# Altium PCB CL-HC-M-V2.2.PcbDoc (part 15 of 18)
Units mil, origin at the board's own origin, x right, y up, seen from the top; angles counter-clockwise.
Board outline 27559.06 x 27559.06 mil, 2 copper layers (TopLayer, BottomLayer); 684 components, 528 nets, 2380 pads, 1851 vias.
Unrouted connection lines stored in the file: 1268.
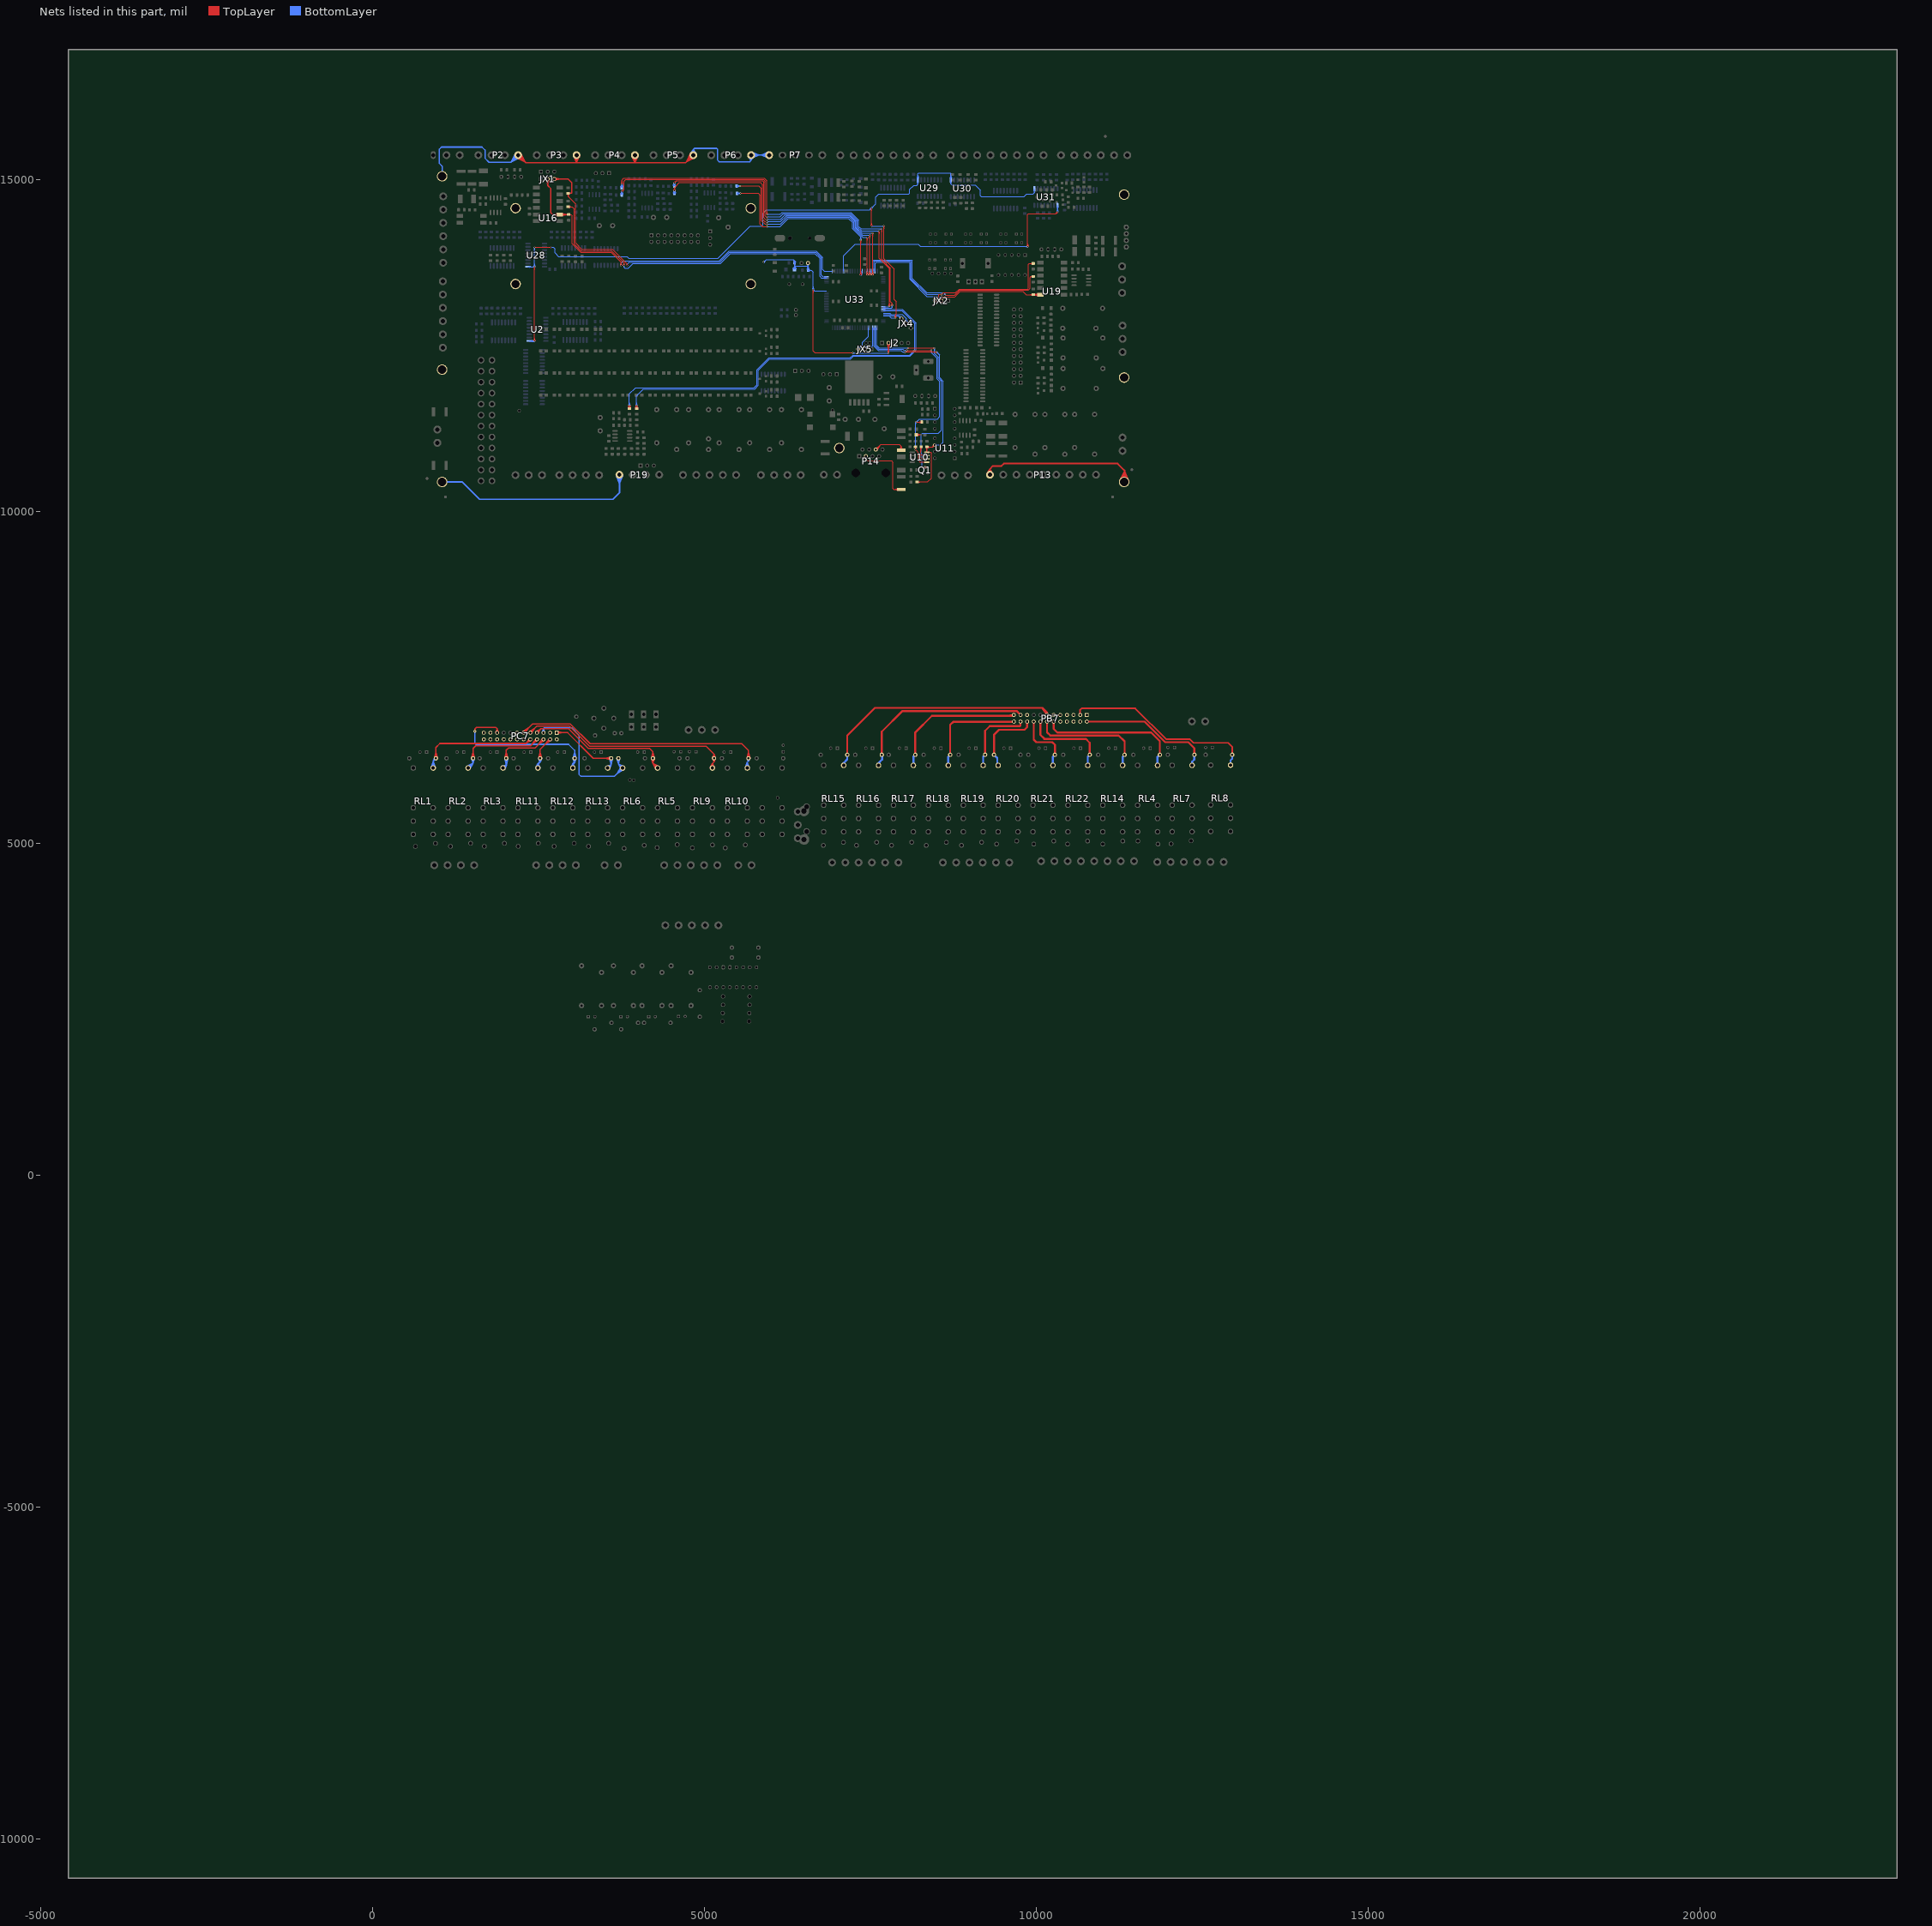
[diagram p15: the nets of this part, all layers, seen from the top]

## Via types
v1: diameter 25, hole 15, TopLayer to BottomLayer, tented both sides, 1813 vias
v2: diameter 20, hole 12, TopLayer to BottomLayer, tented both sides, 24 vias
v3: diameter 25, hole 15, TopLayer to BottomLayer, 13 vias
v4: diameter 40, hole 24, TopLayer to BottomLayer, tented both sides, 1 vias

## Nets (pads, with @x,y where several pads share a name; then routed paths per layer and width w, separated by ;. In a path a pad name is that pad's centre, name@x,y a point inside that pad or via, vN(x,y) a via of type N, cw(c..) or ccw(c..) an arc to the next point about the centre after c; other vN are vias at no path point) (continued)
PE: P2.1 P3.1 P4.1 P5.1 P6.1 P7.5 P13.1 P19.1 pad.0@1049.3,10444.81 pad.0@1049.3,12137.73 pad.0@1049.3,15051.11 pad.0@2155.43,13428.12 pad.0@2155.43,14569.85 pad.0@5698.74,13428.12 pad.0@5698.74,14569.85 pad.0@7033.56,10956.63 pad.0@11324.89,10444.81 pad.0@11324.89,12019.62 pad.0@11324.89,14775.52 | length 18300.5
  TopLayer w20: P2.1@2165.83,15330.56 2295.56,15269.19 ; P2.1@2175.72,15348.15 2295.56,15269.19 ; P2.1@2194.08,15370.67 2310.44,15254.3 3079.13,15254.3 ; P2.1@2216.6,15389.03 2295.56,15269.19 ; P2.1@2234.18,15398.92 2295.56,15269.19 ; P3.1@3026.15,15359.85 3074,15259.43 ; P3.1@3045.19,15366.87 3074,15259.43 ; P3.1@3102.81,15366.87 3074,15259.43 ; P3.1@3121.85,15359.85 3074,15259.43 ; P4.1@3906.07,15358.55 3953.92,15258 ; P4.1@3925.11,15365.57 3953.92,15258 ; P4.1@3982.73,15365.57 3953.92,15258 ; P4.1@4001.77,15358.55 3953.92,15258 ; P5.1@4793.74,15398.92 4732.36,15269.19 ; P5.1@4811.32,15389.03 4732.36,15269.19 ; P5.1@4833.84,15370.67 4717.48,15254.3 3957.61,15254.3 ; P5.1@4852.2,15348.15 4732.36,15269.19 ; P5.1@4862.09,15330.56 4732.36,15269.19 ; 3074,15259.43 P3.1@3074,15370.67 3074,15259.43 ; 3074,15259.43 3079.13,15254.3 ; 3079.13,15254.3 3957.61,15254.3 ; 3953.92,15258 P4.1@3953.92,15369.36 3953.92,15258 ; 3953.92,15258 3957.61,15254.3
  TopLayer w25: P13.1@9257.43,10566.39 9302.22,10638.82 ; P13.1@9280.83,10556.39 9302.22,10638.82 ; P13.1@9302.22,10553.66 9302.22,10638.82 ; P13.1@9323.6,10556.39 9302.22,10638.82 ; P13.1@9347,10566.39 9302.22,10638.82 ; pad.0@11260.9,10461.92 11331.73,10598.65 ; pad.0@11284.31,10452.14 11331.73,10598.65 ; pad.0@11308.73,10446.39 11331.73,10598.65 ; pad.0@11341.13,10444.95 11331.73,10598.65 ; pad.0@11365.97,10448.52 11331.73,10598.65 ; pad.0@11390.15,10456.18 11331.73,10598.65 ; 9302.22,10638.82 9349.06,10685.66 9475.86,10685.66 9512.18,10721.98 11228.78,10721.98 11331.73,10619.03 11331.73,10451.65 pad.0@11324.89,10444.81 11331.73,10598.65
  BottomLayer w20: pad.0@1049.3,15051.11 1049.3,15204.58 1008.14,15245.75 1008.14,15460.84 1038.98,15491.68 1650.18,15491.68 1694.11,15447.76 1694.11,15323.46 1755.79,15261.78 2085.19,15261.78 P2.1@2194.08,15370.67 ; P2.1@2153.97,15398.92 2092.6,15269.19 ; P2.1@2171.56,15389.03 2092.6,15269.19 ; P2.1@2212.44,15348.15 2092.6,15269.19 ; P2.1@2222.33,15330.56 2092.6,15269.19 ; P5.1@4786.74,15384.38 4833.84,15458.38 ; P5.1@4805.19,15375.48 4833.84,15458.38 ; P5.1@4833.84,15370.67 4833.84,15458.38 ; P5.1@4862.49,15375.48 4833.84,15458.38 ; P5.1@4880.94,15384.38 4833.84,15458.38 ; P6.1@5657.3,15354.1 5703.92,15290.46 ; P6.1@5675.36,15364.01 5703.92,15290.46 ; P6.1@5707.46,15340.52 5822.97,15369.36 ; P6.1@5707.46,15398.19 5822.97,15369.36 ; P6.1@5714.03,15321.35 5822.97,15369.36 ; P6.1@5714.03,15417.36 5822.97,15369.36 ; P6.1@5732.48,15364.01 5703.92,15290.46 ; P6.1@5750.54,15354.1 5703.92,15290.46 ; P7.5@5965.73,15418.56 5857.3,15369.36 ; P7.5@5966.79,15322.56 5857.3,15369.36 ; P7.5@5972.5,15399.46 5857.3,15369.36 ; P7.5@5973.13,15341.79 5857.3,15369.36 ; 4833.84,15458.38 4847.67,15472.22 5185.57,15472.22 5201.04,15456.75 5201.04,15292.21 5224.22,15269.04 5682.5,15269.04 5703.92,15290.46 ; 5703.92,15290.46 P6.1@5703.92,15369.36 5975.05,15369.36 P7.5@5976.36,15370.67 5857.3,15369.36
  BottomLayer w25: pad.0@1049.3,10444.81 1353.93,10444.81 1614.61,10184.14 3619.4,10184.14 3719.56,10284.3 P19.1@3719.56,10553.66 ; P19.1@3673.71,10545.58 3719.56,10419.61 ; P19.1@3698.07,10551.93 3719.56,10419.61 ; P19.1@3741.04,10551.93 3719.56,10419.61 ; P19.1@3765.4,10545.58 3719.56,10419.61
PLD_165: U2.1 U28.1 U29.1 U30.1 U31.1 U33.103 | length 15802.1
  TopLayer w10: v3@2433.66,12571.16 2441.13,12613 v3@2448.6,12571.16 ; v1@2433.66,13687.64 2441.13,13645.8 ; v3(2441.13,12570.5) v1(2441.13,13688.3) 2441.13,13645.8 ; v1@2441.79,13990.09 2483.69,13982.93 ; v1@2441.9,13975.15 2483.69,13982.93 ; v1@2448.6,13687.64 2441.13,13645.8 ; v1@2688.95,13975.46 2647.11,13982.93 v1@2688.95,13990.4 ; v1(2689.61,13982.93) 2440.88,13982.93 v1(2441.19,13982.62) 2483.69,13982.93 ; v3@7510.59,14301.93 7518.06,14343.77 v3@7525.53,14301.93 ; v3@7510.75,14571.24 7518.06,14529.37 ; v3(7518.06,14301.27) v3@7518.06,14572.04 ; v3(7518.22,14571.87) 7518.06,14529.37 ; v3@7525.69,14571.18 7518.06,14529.37 ; v3@7695.68,14300.61 7703.15,14258.77 ; v3@7710.62,14300.61 7703.15,14258.77 ; v3@7870.6,12918.25 7878.07,12960.09 v3@7885.54,12918.25 ; v3(7878.07,12917.59) 7878.07,12961.02 7890.82,12973.77 7890.82,13007.1 7890.39,13007.53 7890.39,13163.39 7859.14,13194.64 7859.14,13654.37 7703.15,13810.36 v3(7703.15,14301.27) 7703.15,14258.77
  BottomLayer w10: U28.1@2342.69,13688.36 2441.19,13688.36 v1(2441.19,13982.62) 2441.19,13940.12 ; U2.1@2362.38,12570.5 v3(2441.13,12570.5) ; U28.1@2367.69,13688.36 2412.69,13688.36 ; U28.1@2368.8,13678.42 2412.69,13688.36 ; U28.1@2368.8,13698.3 2412.69,13688.36 ; U2.1@2387.38,12570.5 v3@2432.38,12570.5 ; U2.1@2388.49,12560.56 v3@2432.38,12570.5 ; U2.1@2388.49,12580.44 v3@2432.38,12570.5 ; v1@2433.66,13688.97 2441.19,13730.8 ; v1@2433.72,13981.96 2441.19,13940.12 ; v3@2439.17,12563.26 U2.1@2398.8,12578.1 ; v3@2439.17,12577.74 U2.1@2398.8,12562.9 ; v1@2440.46,13680.83 2398.63,13688.36 ; v1@2440.48,13695.78 2398.63,13688.36 ; v3@2441.81,12563.03 U2.1@2398.8,12562.9 ; v3@2441.81,12577.97 U2.1@2398.8,12578.1 ; v1@2448.6,13688.96 2441.19,13730.8 ; v1@2448.66,13981.96 2441.19,13940.12 ; v1(2689.61,13982.93) 2721.83,13982.93 ; v1@2690.48,13975.48 2721.83,13982.93 ; v1@2690.48,13990.38 2721.83,13982.93 ; v3@7512.43,14576.63 7490.97,14544.62 ; v3@7513.35,14577.57 7551.94,14605.58 v3@7523.93,14567 ; v3(7518.06,14301.27) v3(7703.15,14301.27) 7660.65,14301.27 ; v3@7518.72,14293.8 7560.56,14301.27 v3@7518.72,14308.74 ; v3@7522.99,14566.08 7490.97,14544.62 ; U33.103@7695.61,12949.35 7780.95,12949.35 7812.72,12917.59 v3(7878.07,12917.59) 7835.57,12917.59 ; v3@7702.49,14293.8 7660.65,14301.27 ; v3@7702.49,14308.74 7660.65,14301.27 ; U33.103@7725.86,12949.35 7760.61,12949.35 ; v3@7877.41,12910.12 7835.57,12917.59 ; v3@7877.41,12925.06 7835.57,12917.59 ; U29.1@8207.44,14972.2 8217.38,14930.17 ; U29.1@8207.44,15024.47 8217.38,15068.36 ; U29.1@8217.38,14973.36 8217.38,14930.17 ; U29.1@8217.38,15023.36 8217.38,15068.36 ; U29.1@8227.31,14972.2 8217.38,14930.17 ; U29.1@8227.31,15024.47 8217.38,15068.36 ; U30.1@8704.44,15020.53 8714.38,15064.42 ; U30.1@8704.5,14967.87 8714.38,14937.14 ; U30.1@8714.38,14969.42 8714.38,14937.14 ; U30.1@8714.38,15019.42 8714.38,15064.42 ; U30.1@8724.26,14967.87 8714.38,14937.14 ; U30.1@8724.32,15020.53 8714.38,15064.42 ; U31.1@9961.72,14837.18 9971.61,14804.14 ; U31.1@9971.61,14838.63 9971.61,14804.14 ; U31.1@9971.61,14863.63 9971.61,14804.14 ; U31.1@9981.51,14837.18 9971.61,14804.14 ; U2.1@2398.63,12570.5 2440.47,12563.03 U2.1@2398.63,12570.5 ; U2.1@2398.63,12570.5 2440.47,12577.97 U2.1@2398.63,12570.5 ; U2.1@2398.63,12570.5 v3(2441.13,12570.5) ; U2.1@2398.63,12570.5 v3(2441.13,12570.5) ; 2398.63,13688.36 v1(2441.13,13688.3) 2441.19,13730.8 ; U2.1@2398.8,12562.9 v3(2441.13,12570.5) ; U2.1@2398.8,12578.1 v3(2441.13,12570.5) ; 2721.83,13982.93 2746.91,13957.84 2746.91,13896.53 2803.41,13840.04 3832.68,13840.04 3859.54,13813.18 5205.85,13813.18 5690.73,14298.06 5860.76,14298.06 5884.15,14321.44 5884.15,14491.48 5937.29,14544.62 7490.97,14544.62 ; 7490.97,14544.62 v3(7518.22,14571.87) ; 7490.97,14544.62 v3(7518.22,14571.87) ; v3(7518.22,14571.87) 7580.03,14633.67 7580.03,14737.31 7625.74,14783.03 8081.01,14783.03 8095.11,14797.12 8095.11,14853.76 8156.76,14915.42 8202.62,14915.42 8217.38,14930.17 ; 8217.38,14930.17 U29.1@8217.38,14998.36 8217.38,15085.36 8231.39,15099.37 8706.84,15099.37 8714.38,15091.83 8714.38,14937.14 ; 8714.38,14937.14 8732.88,14918.64 9081.37,14918.64 9157.1,14842.91 9157.1,14755.39 9169.62,14742.87 9814.64,14742.87 9858.57,14786.81 9954.28,14786.81 9971.61,14804.14
POL_A2: F9.1 P14.3 | length 1309.2
  TopLayer w15: P14.3@7412.19,10828.87 7433.69,10783.04 ; P14.3@7433.69,10833.66 7433.69,10783.04 ; P14.3@7455.19,10828.87 7433.69,10783.04 ; F9.1@7922.17,10318.37 7855.45,10334.38 ; F9.1@7922.17,10350.39 7855.45,10334.38 ; F9.1@7924.07,10334.38 7855.45,10334.38 ; F9.1@7967.38,10334.38 7852.35,10334.38 7840.38,10346.36 7840.38,10742.36 7818.38,10764.36 7452.38,10764.36 7433.69,10783.04
POL_B2: F8.1 P14.6 | length 776.9
  TopLayer w15: P14.6@7570.22,10951.09 7645.04,10995.01 P14.6@7601.12,10920.19 ; P14.6@7583.69,10933.66 7659.37,11009.34 7940.48,11009.34 7966.46,10983.36 ; F8.1@7950.49,10926.05 7966.46,10983.36 ; F8.1@7966.46,10923.87 7966.46,10983.36 ; F8.1@7982.44,10926.05 7966.46,10983.36
PWM1-T8C3: R125.1 U33.98 | length 6452
  TopLayer w10: R125.1@3965.38,11552.92 v1(3978.65,11595.95) ; v1@3971.2,11595.03 3980.16,11553.47 v1@3986.14,11595.56 ; v1@3971.18,11595.29 3978.65,11553.45 v1@3986.12,11595.29 ; v1@3971.31,11597.53 3965.96,11554.78 v1@3985.59,11593.13 ; v1@3971.92,11592.65 3994.36,11555.49 v1@3985.85,11598.05 ; R125.1@3994.94,11553.98 v1(3978.65,11595.95) ; v1(3978.65,11595.95) 3978.65,11552.56 R125.1@3980.25,11550.95 v1(3978.65,11595.95)
  BottomLayer w10: v1@3971.18,11596.62 3978.65,11638.45 ; v1@3986.12,11596.62 3978.65,11638.45 ; U33.98@7695.61,13047.78 7983,13047.78 8189.4,12841.38 8189.4,12429.61 8099.73,12339.94 7246.38,12339.94 7203.41,12296.97 5981.63,12296.97 5811.64,12126.98 5811.64,11900.09 5757.41,11845.86 4081.82,11845.86 3978.65,11742.68 v1(3978.65,11595.95) 3978.65,11638.45 ; U33.98@7725.86,13047.78 7760.61,13047.78
PWM2-T8C4: R126.1 U33.99 | length 6523.1
  TopLayer w10: R126.1@3856.06,11555.07 v1(3870.71,11595.95) ; v1@3863.24,11595.27 3870.84,11553.45 3878.18,11595.32 3870.71,11553.45 v1@3863.23,11595.29 ; v1@3863.45,11597.86 3856.11,11555.21 v1@3877.52,11592.82 ; v1@3863.91,11592.78 3885.57,11555.28 v1@3877.95,11597.91 ; R126.1@3885.61,11555.16 v1(3870.71,11595.95) ; v1(3870.71,11595.95) 3870.71,11552.66 R126.1@3870.84,11552.52 v1(3870.71,11595.95)
  BottomLayer w10: v1@3863.23,11596.62 3870.71,11638.45 ; v1@3870.71,11590.35 3870.71,11772.12 3962.44,11863.86 5749.95,11863.86 5793.64,11907.55 5793.64,12134.44 5974.17,12314.97 7195.95,12314.97 7238.92,12357.94 8092.27,12357.94 8171.4,12437.07 8171.4,12833.92 7977.23,13028.09 U33.99@7695.61,13028.09 ; v1(3870.71,11595.95) 3870.71,11638.45 ; v1@3878.18,11596.62 3870.71,11638.45 ; U33.99@7725.86,13028.09 7760.61,13028.09
PWM3-T8C1: R101.1 U33.96 | length 7449.3
  TopLayer w10: v1@3752.77,14829.19 3789.87,14855.71 ; v1(3757.62,14823.47) 3789.87,14855.71 ; v1@3763.34,14818.62 3789.87,14855.71 ; v1@5938.18,14435.58 5912.62,14455.45 ; v1@5944.38,14449.13 5912.62,14455.45 ; v1@7626.09,14225.58 7633.57,14183.74 v1@7641.04,14225.58 ; v1(7633.57,14226.24) 7633.57,13813.51 7786.72,13660.35 v1@7786.72,13094.63 ; v1@7779.43,13095.26 7786.72,13137.13 ; v1(7786.91,13094.63) 7786.72,13137.13 ; v1@7794.37,13095.33 7786.72,13137.13 ; 3789.87,14855.71 3789.87,14976.27 3817.15,15003.56 5888.56,15003.56 5912.62,14979.49 5912.62,14455.45 ; 5912.62,14455.45 5926.09,14441.99 ; 5912.62,14455.45 v1(5942.07,14441.99) ; 5926.09,14441.99 v1(5942.07,14441.99) ; 5926.09,14441.99 5940.31,14434.7 5926.09,14441.99 ; 5926.09,14441.99 5940.31,14449.28 5926.09,14441.99 ; 5926.09,14441.99 v1(5942.07,14441.99) ; 5926.09,14441.99 v1(5942.07,14441.99)
  BottomLayer w10: R101.1@3742.31,14776.87 v1@3757.13,14822.98 ; v1@3750.32,14825.19 R101.1@3744.11,14782.48 ; v1@3750.67,14820.66 R101.1@3770.22,14782.26 ; R101.1@3757.13,14769.55 v1@3757.13,14822.98 ; R101.1@3757.13,14774.55 v1@3757.13,14822.98 ; v1@3764.51,14820.51 R101.1@3744.11,14782.48 ; v1@3764.96,14825.03 R101.1@3770.22,14782.26 ; R101.1@3771.95,14776.87 v1@3757.13,14822.98 ; v1(5942.07,14441.99) 6143.45,14441.99 6190.08,14488.62 7201.8,14488.62 7305.5,14384.92 7305.5,14288.83 7368.09,14226.24 v1(7633.57,14226.24) ; v1@5942.73,14434.52 5984.57,14441.99 v1@5942.73,14449.46 ; v1@7632.9,14218.77 7591.07,14226.24 v1@7632.9,14233.71 ; U33.96@7695.61,13087.15 7779.42,13087.15 v1(7786.91,13094.63) v1@7786.72,13094.63 ; U33.96@7725.86,13087.15 7760.61,13087.15 ; R101.1@3744.11,14782.48 v1(3757.62,14823.47) ; R101.1@3757.13,14780.96 3765.08,14822.72 R101.1@3757.13,14780.96 ; R101.1@3757.13,14780.96 3750.14,14822.9 R101.1@3757.13,14780.96 ; R101.1@3757.13,14780.96 v1(3757.62,14823.47) ; R101.1@3757.13,14780.96 v1(3757.62,14823.47) ; v1@3757.13,14822.98 v1(3757.62,14823.47) ; v1(3757.62,14823.47) R101.1@3770.22,14782.26
PWM4-T8C2: R100.1 U33.97 | length 7395.2
  TopLayer w10: v1@3748.9,14933.58 3756.37,14975.42 v1@3763.84,14933.58 ; v1(3756.37,14932.92) 3756.37,14993.91 3784.02,15021.56 5904.21,15021.56 5942.07,14983.7 v1(5942.07,14478.89) ; v1@5934.6,14479.55 5942.07,14521.39 v1@5949.54,14479.55 ; v1@7665.47,14257.44 7672.94,14215.6 v1@7680.41,14257.44 ; v1(7672.94,14258.1) 7672.94,13799.59 7804.72,13667.81 7804.72,13161.02 7830.16,13135.58 ; v1@7822.72,13107.15 7830.16,13135.58 ; v1(7830.16,13106.19) 7830.16,13135.58 ; v1@7837.59,13107.15 7830.16,13135.58
  BottomLayer w10: R100.1@3740.78,14886.5 v1(3756.37,14932.92) ; v1@3748.9,14932.25 R100.1@3756.37,14890.42 ; v1@3748.89,14932.38 R100.1@3755.67,14890.42 ; v1@3749.08,14934.68 R100.1@3742.62,14891.98 ; v1@3749.4,14930.15 3768.72,14891.68 v1@3763.72,14934.43 ; R100.1@3755.56,14878.96 3756.37,14879.77 v1(3756.37,14932.92) ; R100.1@3755.56,14883.96 v1(3756.37,14932.92) ; v1@3763.25,14929.92 R100.1@3742.62,14891.98 ; v1@3763.83,14932.13 R100.1@3755.67,14890.42 ; v1@3763.84,14932.25 R100.1@3756.37,14890.42 ; R100.1@3770.42,14886.01 v1(3756.37,14932.92) ; v1(5942.07,14478.89) 6144.9,14478.89 6172.62,14506.62 7209.25,14506.62 7323.5,14392.37 7323.5,14296.28 7361.68,14258.1 v1(7672.94,14258.1) 7630.44,14258.1 ; v1@5942.73,14471.42 5984.57,14478.89 v1@5942.73,14486.36 ; v1@7672.28,14250.63 7630.44,14258.1 ; v1@7672.28,14265.57 7630.44,14258.1 ; U33.97@7695.61,13067.46 7823.37,13067.46 7830.16,13074.25 ; U33.97@7725.86,13067.46 7760.61,13067.46 ; v1@7822.71,13105.31 7830.16,13074.25 ; v1@7837.6,13105.31 7830.16,13074.25 ; R100.1@3742.62,14891.98 v1(3756.37,14932.92) ; R100.1@3755.67,14890.42 v1(3756.37,14932.92) ; R100.1@3756.37,14890.42 v1(3756.37,14932.92) ; 7830.16,13074.25 v1(7830.16,13106.19) 7830.16,13074.25
PWM5-T1C1: R124.1 U33.60 | length 4409.9
  TopLayer w10: v1@5542.31,14795.12 v1(5542.42,14795.01) 5809.83,14795.01 5840.62,14764.21 5840.62,14332.74 5878.98,14294.39 v1(5942.07,14294.39) 5899.57,14294.39 ; v1@5543.08,14787.53 5584.92,14795.01 v1@5543.08,14802.48 ; v1@5941.41,14286.91 5899.57,14294.39 ; v1@5941.41,14301.86 5899.57,14294.39 ; v1@7346.78,13563.39 7354.26,13605.22 v1@7361.73,13563.39 ; v1@7346.78,14090.35 7354.26,14048.52 v1@7361.73,14090.35 ; v1(7354.26,13562.72) v1(7354.26,14091.02)
  BottomLayer w10: R124.1@5491.25,14795.12 v1@5542.31,14795.12 ; R124.1@5493.5,14780.29 5541.25,14795.12 R124.1@5493.5,14809.95 ; v1@5539.62,14788.05 R124.1@5501.22,14807.55 ; v1@5539.66,14801.98 R124.1@5501.17,14782.67 ; v1@5541.74,14787.54 R124.1@5499.92,14795.12 ; v1@5541.78,14802.48 R124.1@5499.92,14795.12 ; v1@5543.94,14787.66 R124.1@5501.17,14782.67 ; v1@5543.98,14802.34 R124.1@5501.22,14807.55 ; v1(5942.07,14294.39) 6143.68,14294.39 6265.92,14416.62 7171.98,14416.62 7233.5,14355.09 7233.5,14259.01 7354.26,14138.25 v1(7354.26,14091.02) ; v1@5942.73,14286.91 5984.57,14294.39 v1@5942.73,14301.86 ; v1@7346.78,14091.68 7354.26,14133.52 v1@7361.73,14091.68 ; v1@7353.3,13570.16 7376.72,13569.4 ; v1@7357.51,13555.97 7376.72,13569.4 ; U33.60@7376.72,13592.33 7376.72,13569.4 ; U33.60@7376.72,13622.58 7376.72,13569.4 ; R124.1@5499.92,14795.12 v1(5542.42,14795.01) ; R124.1@5501.17,14782.67 v1(5542.42,14795.01) ; R124.1@5501.22,14807.55 v1(5542.42,14795.01) ; v1(7354.26,13562.72) 7370.04,13562.72 ; v1(7354.26,13562.72) 7376.72,13569.4 ; v1(7354.26,13562.72) 7370.04,13562.72 ; 7370.04,13562.72 7376.72,13569.4 ; 7370.04,13562.72 7356.04,13570.01 7370.04,13562.72 ; 7370.04,13562.72 7356.04,13555.44 7370.04,13562.72
PWM6-T1C2: R123.1 U33.64 | length 4415
  TopLayer w10: v1@5535.47,14905.93 v1(5536.42,14904.97) 5820.68,14904.97 5858.62,14867.02 5858.62,14385.66 5912.99,14331.29 ; v1@5537.08,14897.5 5578.92,14904.97 v1@5537.08,14912.44 ; v1@5941.1,14323.85 5912.99,14331.29 ; v1@5941.1,14338.72 5912.99,14331.29 ; v1@7447.98,13564.79 7455.46,13606.63 v1@7462.93,13564.79 ; v1@7447.98,14130 7455.46,14088.16 v1@7462.93,14130 ; v1(7455.46,13564.13) v1(7455.46,14130.66) ; 5912.99,14331.29 v1(5942.07,14331.29) 5912.99,14331.29
  BottomLayer w10: R123.1@5488.28,14905.93 v1@5535.47,14905.93 ; R123.1@5490.67,14891.12 v1@5535.47,14905.93 ; R123.1@5490.67,14920.74 v1@5535.47,14905.93 ; v1@5533.36,14898.12 R123.1@5495.57,14919.12 ; v1@5533.65,14911.94 R123.1@5495.13,14892.59 ; v1@5535.59,14897.52 R123.1@5493.9,14905.93 ; v1@5535.93,14912.46 R123.1@5493.9,14905.93 ; v1@5537.94,14897.63 R123.1@5495.13,14892.59 ; v1@5538.25,14912.24 R123.1@5495.57,14919.12 ; v1(5942.07,14331.29) 6147.23,14331.29 6250.56,14434.62 7179.43,14434.62 7251.5,14362.55 7251.5,14266.46 7387.3,14130.66 v1(7455.46,14130.66) ; v1@5942.73,14323.82 5984.57,14331.29 v1@5942.73,14338.76 ; v1@7448.02,13565.13 U33.64@7455.46,13592.33 ; v1@7454.79,14123.19 7412.96,14130.66 v1@7454.79,14138.13 ; U33.64@7455.46,13622.58 v1(7455.46,13564.13) U33.64@7455.46,13592.33 ; v1@7462.89,13565.13 U33.64@7455.46,13592.33 ; R123.1@5493.9,14905.93 v1(5536.42,14904.97) ; R123.1@5495.13,14892.59 v1(5536.42,14904.97) ; R123.1@5495.57,14919.12 v1(5536.42,14904.97)
PWM7-T1C3: R105.1 U33.66 | length 5511.4
  TopLayer w10: v1@4542.65,14835.62 4550.13,14877.46 v1@4557.6,14835.62 ; v1(4550.13,14834.96) 4550.13,14884.21 4622.57,14956.65 5843,14956.65 5876.62,14923.03 5876.62,14403.69 5912.13,14368.19 ; v1@5941.13,14360.75 5912.13,14368.19 ; v1@5941.13,14375.63 5912.13,14368.19 ; v1@7487.35,13564.79 7494.83,13606.63 v1@7502.3,13564.79 ; v1@7487.35,14161.86 7494.83,14120.02 v1@7502.3,14161.86 ; v1(7494.83,13564.13) v1(7494.83,14162.52) ; 5912.13,14368.19 v1(5942.07,14368.19) 5912.13,14368.19
  BottomLayer w10: v1@4542.65,14834.3 4550.13,14792.46 4557.6,14834.3 R105.1@4550.54,14795.41 ; v1@4542.67,14834.17 R105.1@4550.54,14795.41 ; v1@4542.91,14837 R105.1@4535.78,14798.1 ; v1@4543.5,14831.45 R105.1@4565.24,14798.41 ; R105.1@4550.54,14790.41 4550.13,14790.83 v1(4550.13,14834.96) ; v1@4556.83,14831.59 R105.1@4535.78,14798.1 ; v1@4557.3,14837.16 R105.1@4565.24,14798.41 ; v1(5942.07,14368.19) 6151.08,14368.19 6235.51,14452.62 7186.89,14452.62 7269.5,14370.01 7269.5,14273.92 7380.9,14162.52 v1(7494.83,14162.52) 7452.33,14162.52 ; v1@5942.73,14360.72 5984.57,14368.19 v1@5942.73,14375.66 ; v1@7494.16,14155.05 7452.33,14162.52 ; v1@7494.16,14169.99 7452.33,14162.52 ; U33.66@7494.83,13592.33 v1(7494.83,13564.13) U33.66@7494.83,13622.58 ; R105.1@4535.78,14798.1 v1(4550.13,14834.96) ; v1(4550.13,14834.96) R105.1@4565.24,14798.41 ; v1(4550.13,14834.96) R105.1@4550.54,14795.41
PWM8-T1C4: R104.1 U33.67 | length 5548.4
  TopLayer w10: v1@4542.7,14957.1 4581.29,14985.11 v1@4553.28,14946.53 ; v1(4547.57,14951.4) 4581.73,14985.56 5874.11,14985.56 5894.62,14965.04 5894.62,14427.78 5917.32,14405.09 ; v1@5940.93,14397.67 5917.32,14405.09 ; v1@5940.93,14412.5 5917.32,14405.09 ; v1@7526.72,13564.79 7534.2,13606.63 v1@7541.67,13564.79 ; v1@7526.72,14193.72 7534.2,14151.88 v1@7541.67,14193.72 ; v1(7534.2,13564.13) v1(7534.2,14194.38) ; 5917.32,14405.09 v1(5942.07,14405.09) 5917.32,14405.09